# Altium PCB PDM_Rev3.PcbDoc (part 1 of 2)
Units mm, origin at the board's own origin, x right, y up, seen from the top; angles counter-clockwise.
Board outline 93.51 x 85.5 mm, 4 copper layers (Signal Top, Int1 (GND), Int2 (PWR), Signal Bottom), stack 1.766 mm thick; 119 components, 88 nets, 414 pads, 566 vias.
Unrouted connection lines stored in the file: 5.
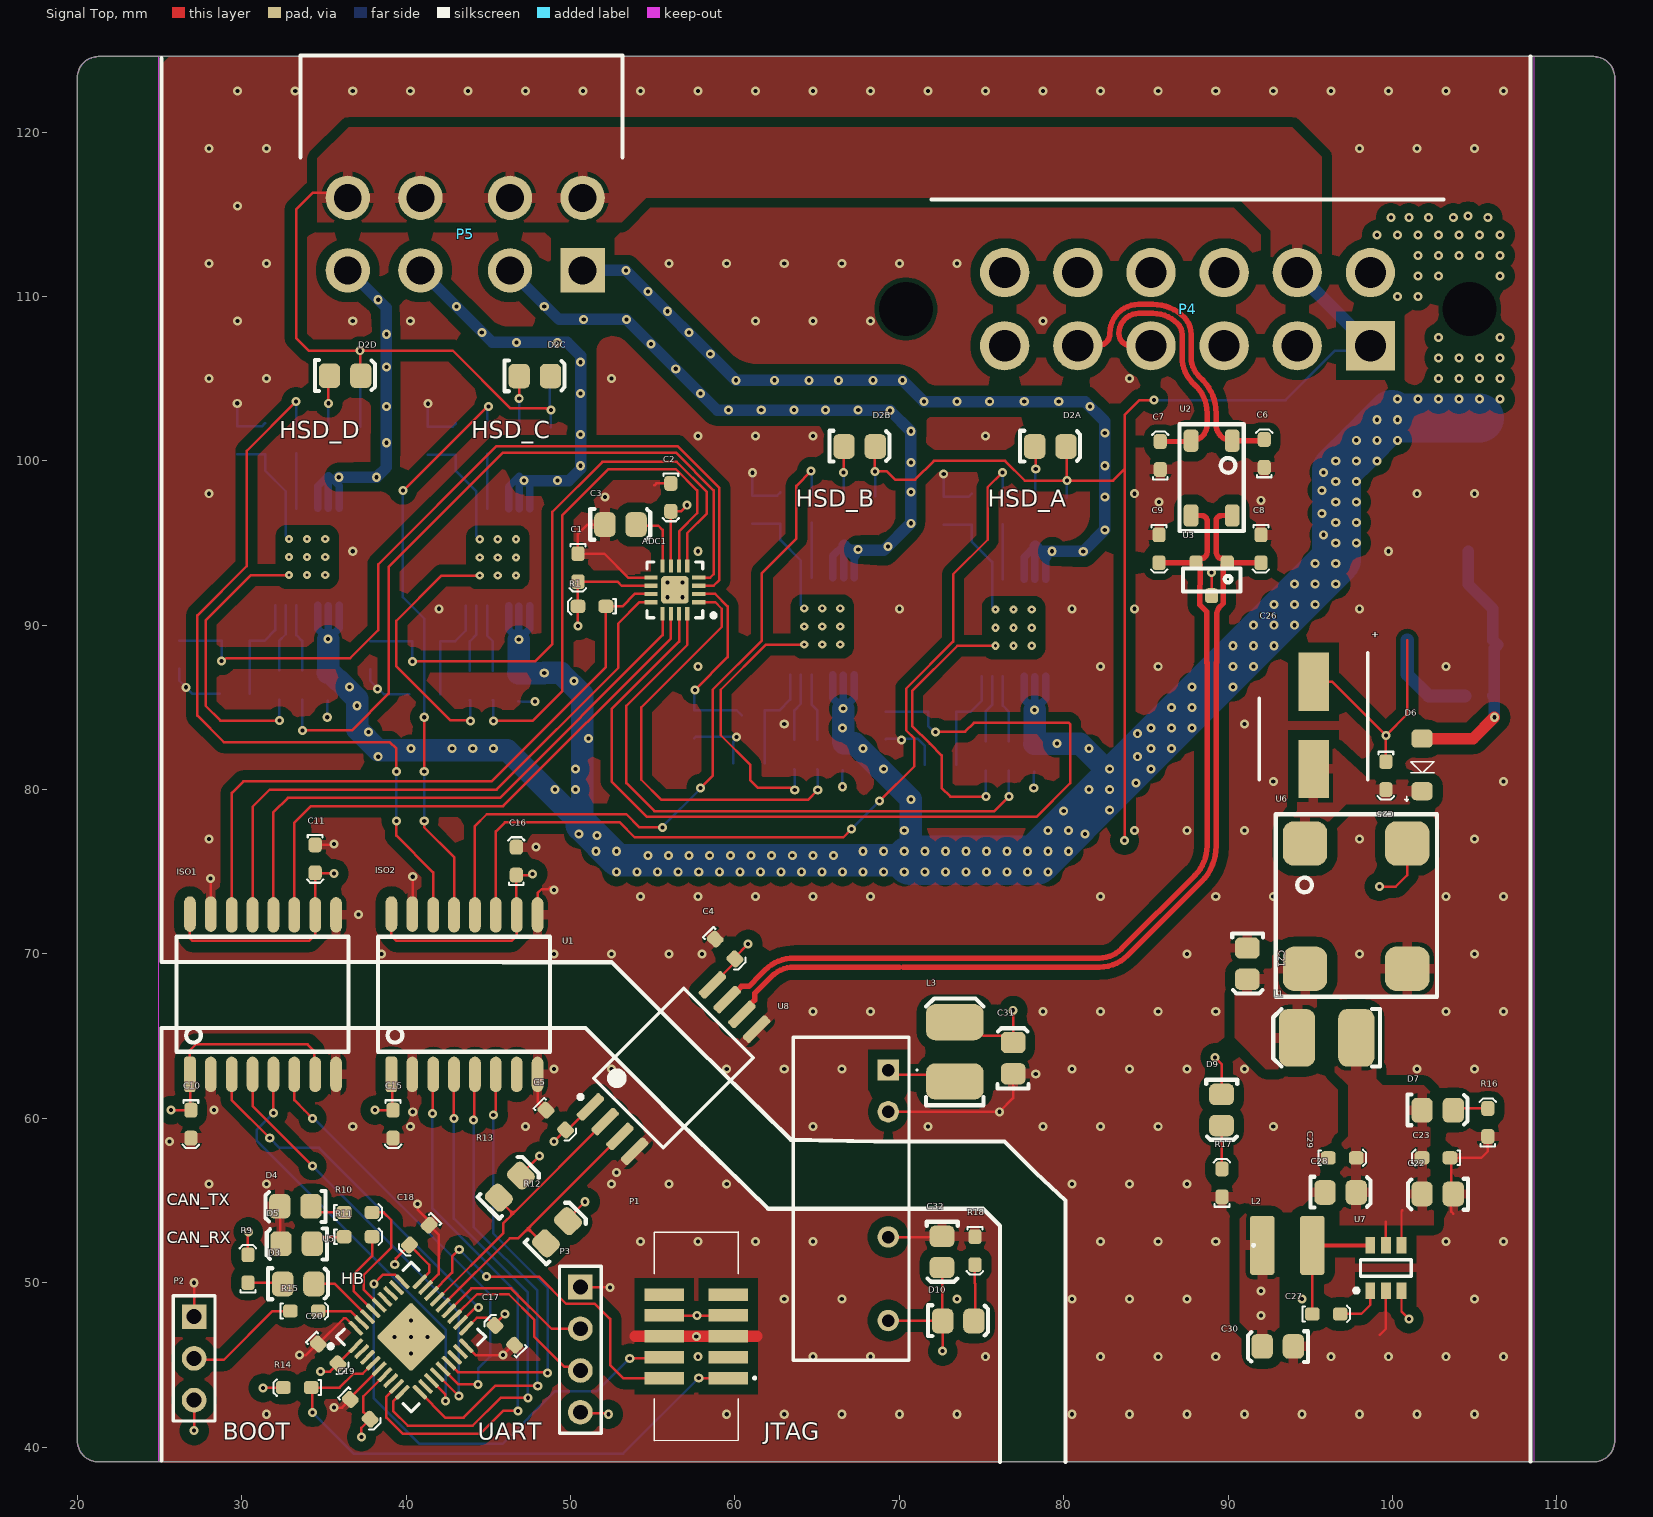
[diagram p0: Signal Top view]
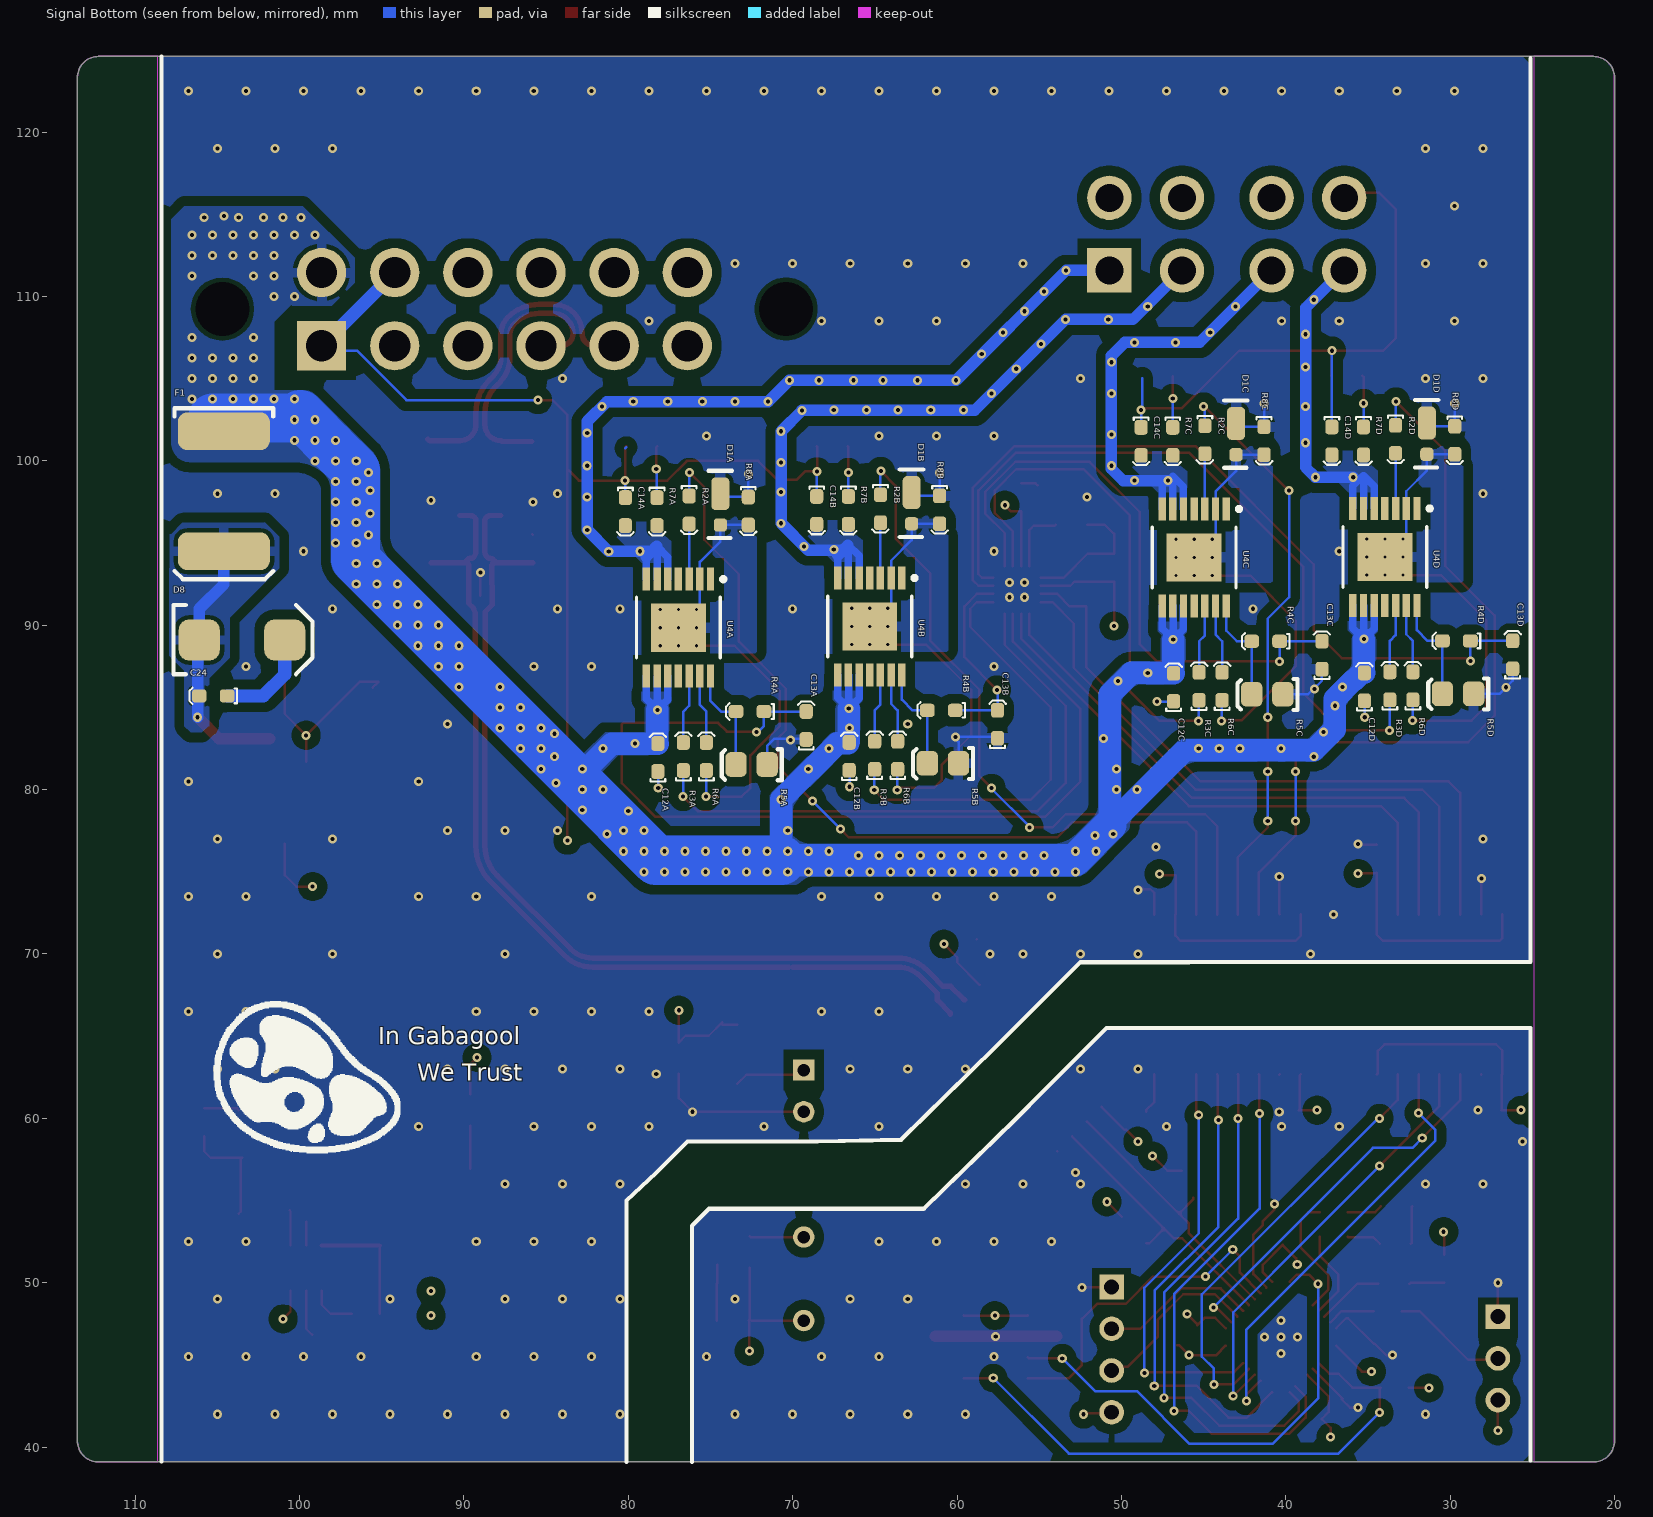
[diagram p1: Signal Bottom view, seen from below]
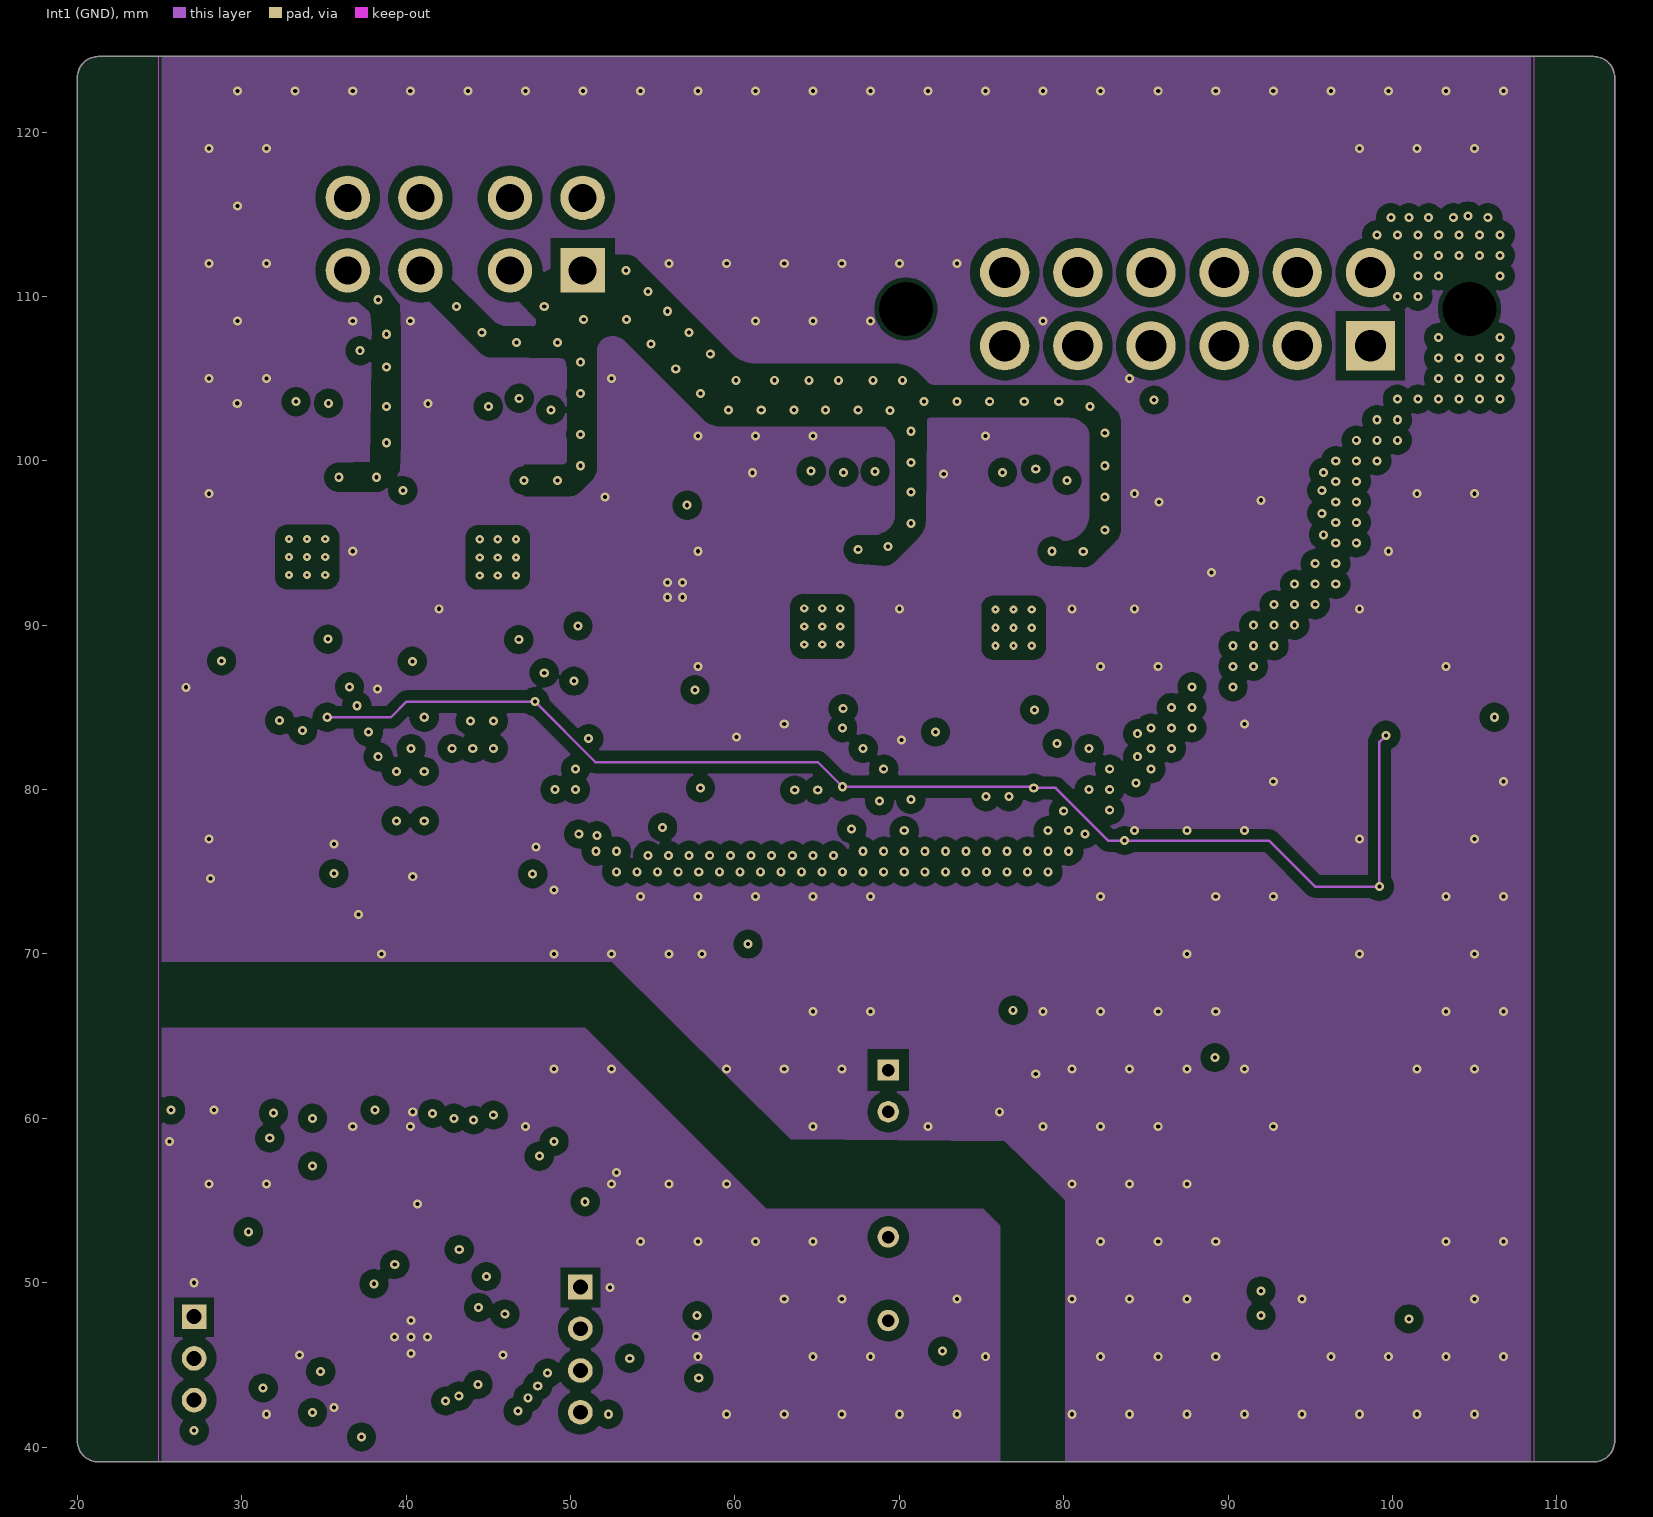
[diagram p2: Int1 (GND)]
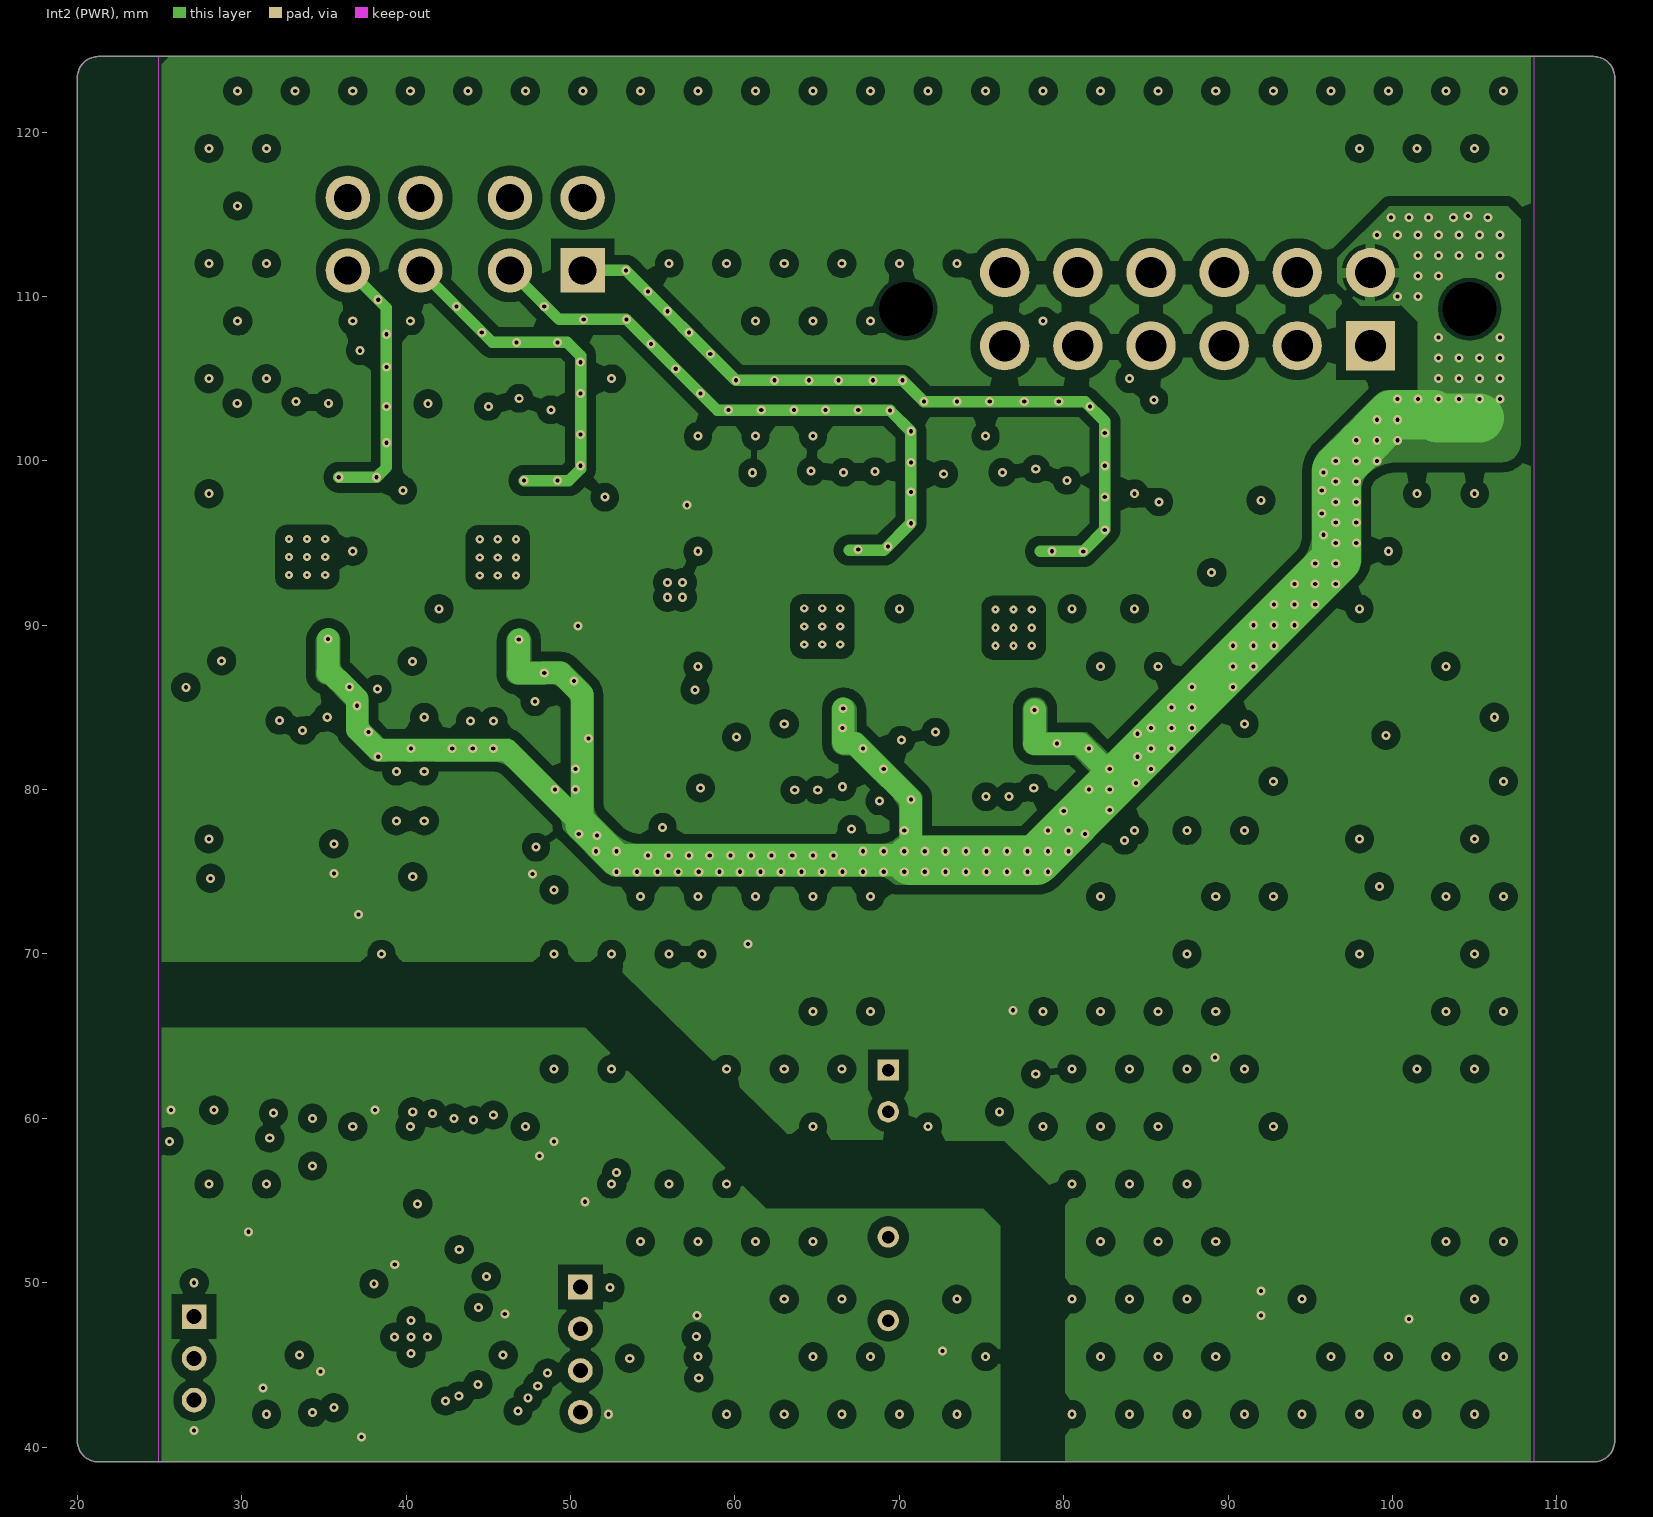
[diagram p3: Int2 (PWR)]
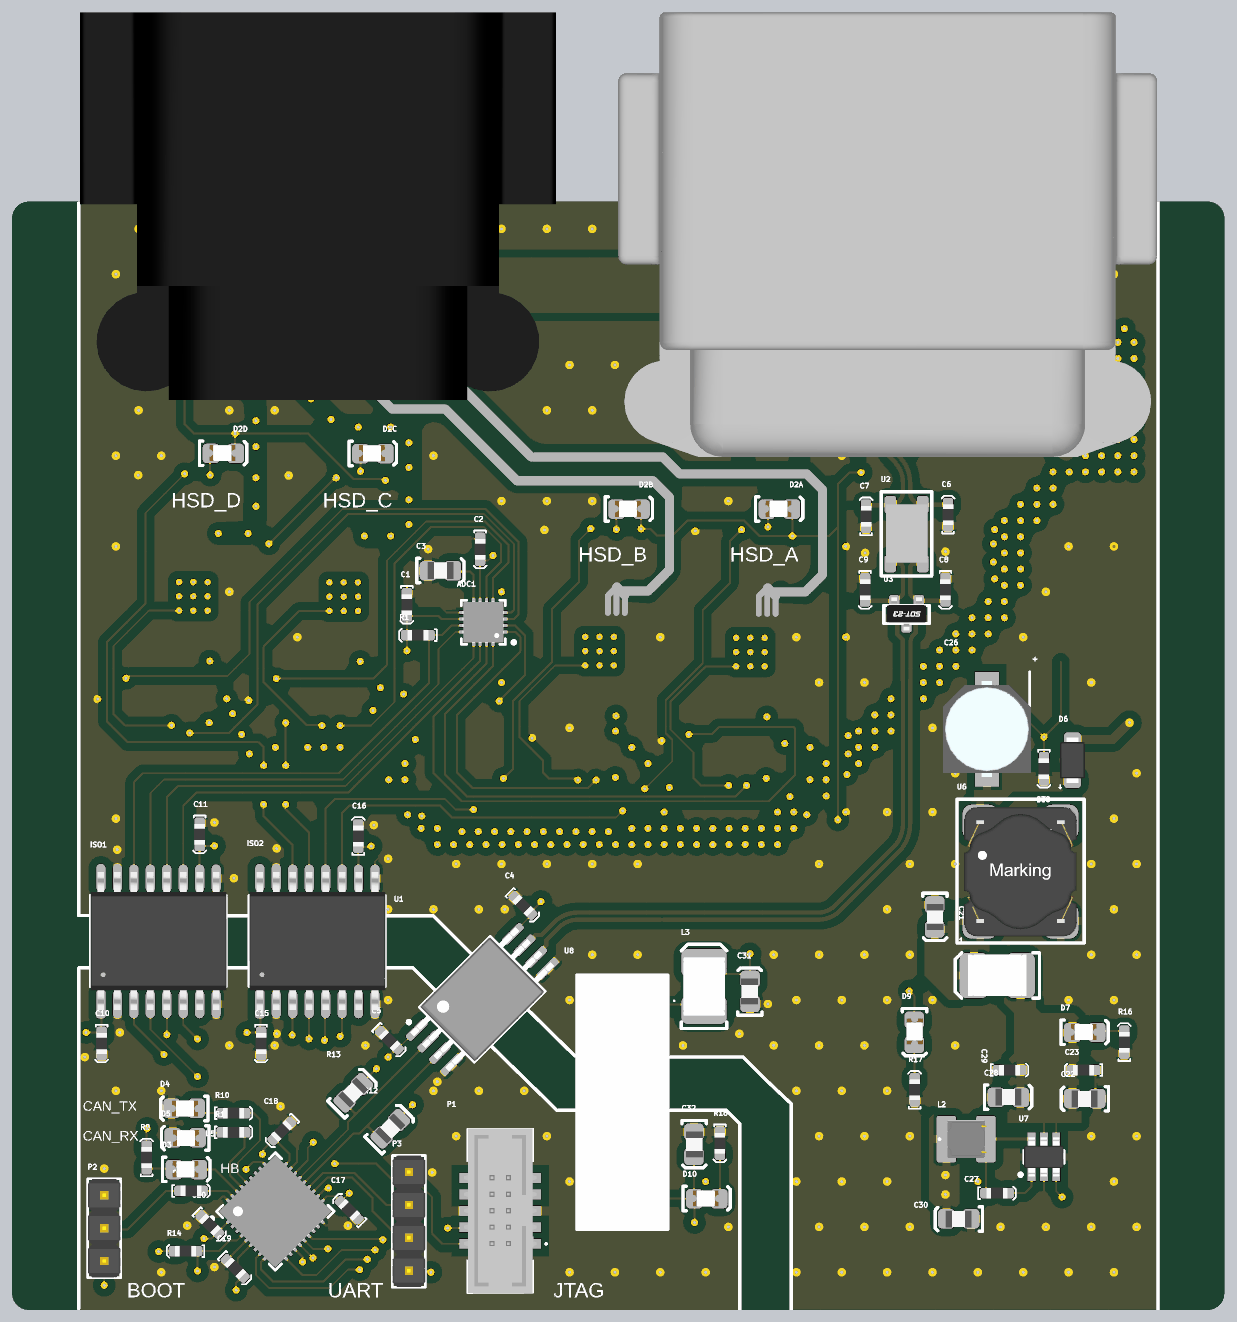
[diagram p5: 3D render of the assembled board from above, using the file's embedded part models]
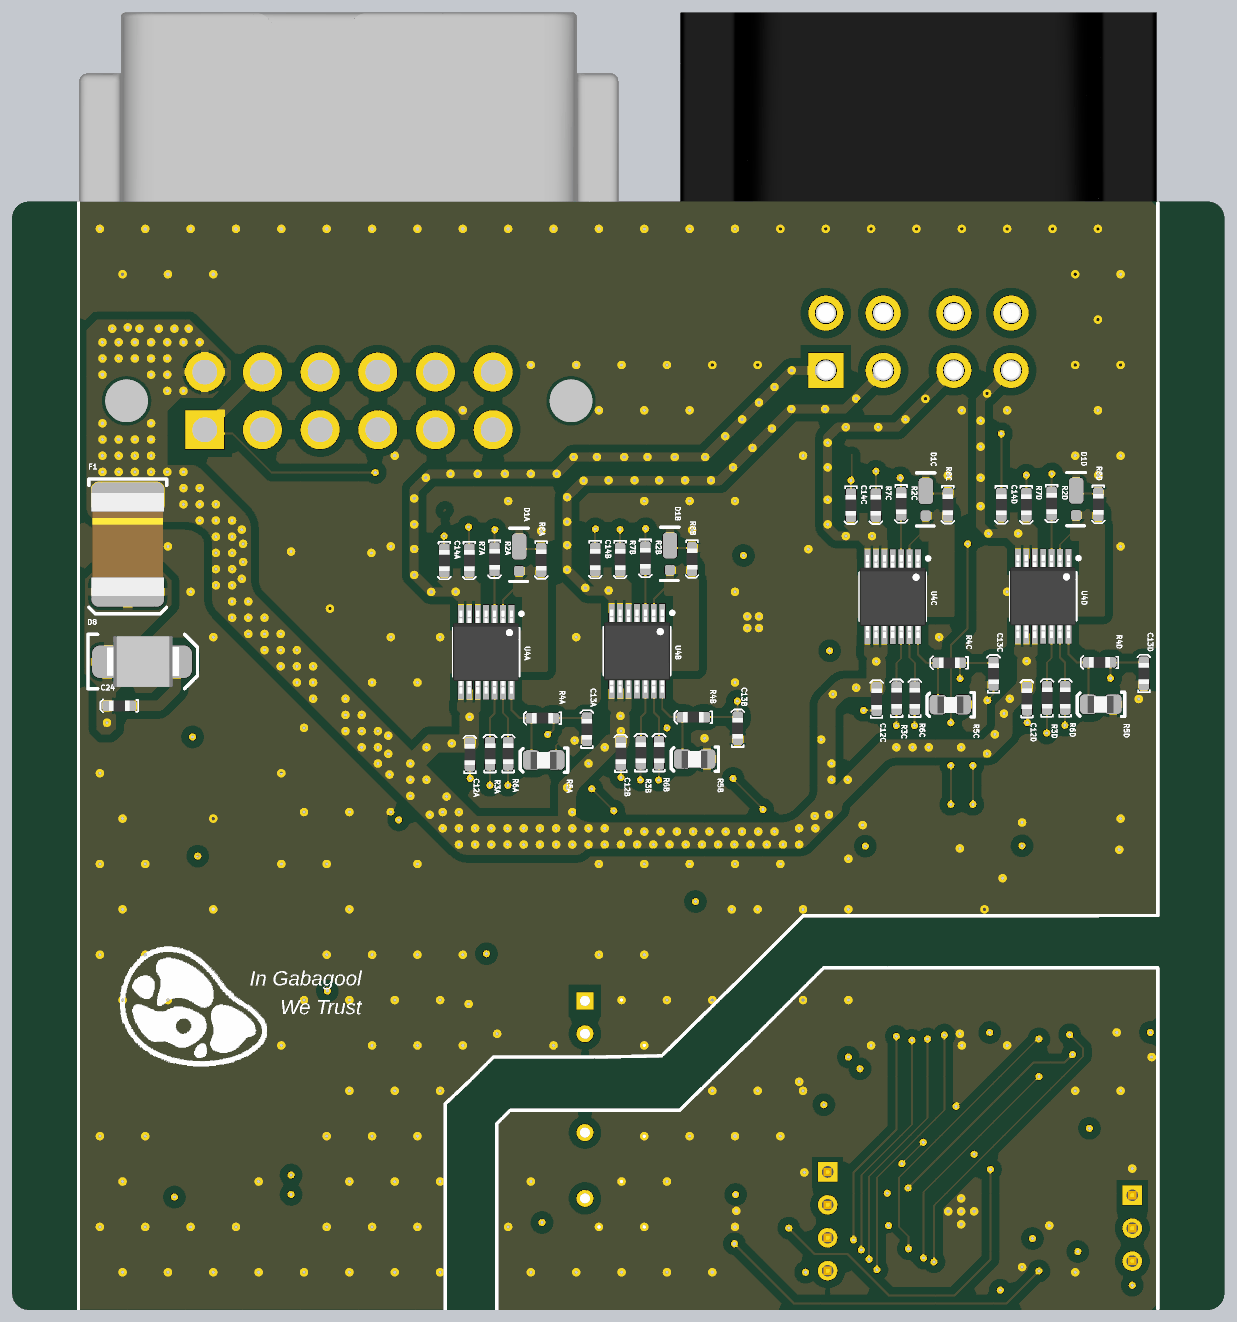
[diagram p6: 3D render of the assembled board from below, using the file's embedded part models]

## Layer stack, top to bottom
Top Solder: solder mask 0.0254, SM-003, Dk 4
Signal Top: signal copper 0.07
Dielectric 1: prepreg 0.2104, PP-017, Dk 4.4
Int1 (GND): signal copper 0.07
Dielectric 2: core 1.065, Core-039, Dk 4.5
Int2 (PWR): signal copper 0.07
Dielectric 3: prepreg 0.2104, PP-017, Dk 4.4
Signal Bottom: signal copper 0.07
Bottom Solder: solder mask 0.0254, SM-003, Dk 4

## Board outline
21.27,39.1 cw(c21.27,40.37) 20,40.37 20,123.33 cw(c21.27,123.33) 21.27,124.6 112.243,124.6 cw(c112.243,123.33) 113.513,123.33 113.513,40.37 cw(c112.243,40.37) 112.243,39.1

## Design rules (kind name [scope] priority, off if disabled: settings)
Clearance "Stitching GLV+" [IsStitchingVia and InNet('GLV+') vs (IsVia and (Not IsStitchingVia)) Or IsPad] p1: gap=0.127 ignorepadtopadclearanceinfootprint=FALSE
Clearance [All] p2: gap=0.254 ignorepadtopadclearanceinfootprint=FALSE except(0: Arc-Hole Track-Hole SMDPad-Hole THPad-Hole Via-Hole Fill-Hole Region-Hole Text-Hole; 0.1: THPad-THPad; 0.152: Arc-SMDPad Track-SMDPad SMDPad-SMDPad; 0.2: Arc-THPad Track-THPad SMDPad-THPad THPad-Via; 0.203: Arc-Arc Arc-Track Arc-Region Track-Track Track-Region SMDPad-Region THPad-Region Via-Region Fill-Region Poly-Region Region-Region; 0.6: Arc-Poly Track-Poly SMDPad-Poly THPad-Poly Via-Poly Fill-Poly Poly-Poly)
DiffPairsRouting [All] p1: maxlimit=0.22 minlimit=0.22 mostfreqgap=0.22 toplayer_minwidth=0.33 toplayer_maxwidth=0.33 toplayer_prefwidth=0.33 midlayer1_minwidth=0.33 midlayer1_maxwidth=0.33 midlayer1_prefwidth=0.33 midlayer2_minwidth=0.33 midlayer2_maxwidth=0.33 midlayer2_prefwidth=0.33 bottomlayer_minwidth=0.33 bottomlayer_maxwidth=0.33 bottomlayer_prefwidth=0.33 maxuncoupledlength=12.7
Height [All] p1: minheight=0 maxheight=50 prefheight=12.7
HoleSize [All] p1: absolutevalues=TRUE maxlimit=10 minlimit=0.025 maxpercent=80.000 minpercent=20.000
MinimumSolderMaskSliver [All] p1 off: minsoldermaskwidth=0.254
NetAntennae [All] p1 off: netantennaetolerance=0
PlaneClearance [All] p1: clearance=0.4
PlaneConnect [All] p1: pad.planeconnectstyle=Relief pad.reliefexpansion=0.508 pad.reliefentries=4 pad.reliefconductorwidth=0.8 pad.reliefairgap=0.254 via.planeconnectstyle=Direct via.reliefexpansion=0.508 via.reliefentries=4 via.reliefconductorwidth=0.8 via.reliefairgap=0.254
PolygonConnect [All] p1: thpad.connectstyle=Relief thpad.reliefconductorwidth=0.6 thpad.reliefentries=4 thpad.polygonreliefangle="90 Angle" thpad.airgapwidth=0.254 smdpad.connectstyle=Relief smdpad.reliefconductorwidth=0.6 smdpad.reliefentries=4 smdpad.polygonreliefangle="90 Angle" smdpad.airgapwidth=0.254 via.connectstyle=Direct via.reliefconductorwidth=0.6 via.reliefentries=4 via.polygonreliefangle="90 Angle" via.airgapwidth=0.254
RoomDefinition CAN [InComponentClass('CAN')] p1: confinementstyle=ConfineIn formatcopy=TRUE lockcomponents=FALSE outline 47.024,60.424 58.8,72.2 83.644,72.2 87.837,76.267 88.027,89.8 84.4,89.8 84.4,102.5 93.6,102.5 93.6,89.8 89.9,89.8 89.9,75 83.1,68.2 66.284,68.2 53.074,54.374
RoomDefinition TopLevel [InComponentClass('TopLevel')] p2: confinementstyle=ConfineIn formatcopy=TRUE lockcomponents=FALSE outline 24.963,109.038 24.963,139.446 108.589,139.446 108.589,104.648 66.501,104.648 66.501,109.038
RoomDefinition "Power Supply" [InComponentClass('Power Supply')] p3: confinementstyle=ConfineIn formatcopy=TRUE lockcomponents=FALSE outline 87.3,40 105,40 105,66.9 87.3,66.9
RoomDefinition HSD1C [InComponentClass('HSD1C')] p4: confinementstyle=ConfineIn formatcopy=TRUE lockcomponents=FALSE outline 37.003,86.574 40.303,83.274 47.703,83.274 48.603,84.174 48.603,98.474 51.303,101.174 51.303,105.774 50.803,106.274 43.203,106.274 40.403,103.474 40.403,93.074 37.003,89.674
RoomDefinition HSD1D [InComponentClass('HSD1D')] p5: confinementstyle=ConfineIn formatcopy=TRUE lockcomponents=TRUE outline 25.4,86.6 28.7,83.3 36.1,83.3 37,84.2 37,98.5 39.7,101.2 39.7,105.8 39.2,106.3 31.6,106.3 28.8,103.5 28.8,93.1 25.4,89.7
RoomDefinition HSD1A [InComponentClass('HSD1A')] p6: confinementstyle=ConfineIn formatcopy=TRUE lockcomponents=FALSE outline 68.377,82.3 71.677,79 79.077,79 79.977,79.9 79.977,94.2 82.677,96.9 82.677,101.5 82.177,102 74.577,102 71.777,99.2 71.777,88.8 68.377,85.4
RoomDefinition Microcontroller [InComponentClass('Microcontroller')] p7: confinementstyle=ConfineIn formatcopy=TRUE lockcomponents=FALSE outline 25.125,65.44 25.233,65.332 25.233,39.087 76.116,39.087 76.162,39.04 76.162,53.406 75.068,54.5 61.868,54.5 50.928,65.44 25.125,65.44
RoomDefinition HSD1B [InComponentClass('HSD1B')] p8: confinementstyle=ConfineIn formatcopy=TRUE lockcomponents=FALSE outline 56.739,82.374 60.039,79.074 67.439,79.074 68.339,79.974 68.339,94.274 71.039,96.974 71.039,101.574 70.539,102.074 62.939,102.074 60.139,99.274 60.139,88.874 56.739,85.474
RoomDefinition "High-Side Driver Enable Pin Isolator" [InComponentClass('High-Side Driver Enable Pin Isolator')] p9: confinementstyle=ConfineIn formatcopy=TRUE lockcomponents=FALSE outline 37.909,60.671 37.909,74.433 45.869,77.431 47.531,77.431 49.135,74.433 49.135,60.671 40.031,57.869 38.369,57.869
RoomDefinition ADC1 [InComponentClass('ADC1')] p10: confinementstyle=ConfineIn formatcopy=TRUE lockcomponents=FALSE outline 49.55,97.35 51.65,99.45 57.75,99.45 59.05,98.15 59.05,89.75 58.15,88.85 50.55,88.85 50.55,88.95 49.55,89.95
RoomDefinition "Contoller Peripheral Comms Isolation" [InComponentClass('Contoller Peripheral Comms Isolation')] p11: confinementstyle=ConfineIn formatcopy=TRUE lockcomponents=FALSE outline 25.651,60.671 25.651,74.433 33.634,77.553 35.296,77.553 36.878,74.433 36.878,60.671 27.731,57.569 26.069,57.569
RoutingVias [All] p1: holewidth=0.25 width=0.55 viastyle="Through Hole" minholewidth=0.203 minwidth=0.254 maxholewidth=0.711 maxwidth=1.27
SilkToSilkClearance [All] p1 off: silktosilkclearance=0.254
SilkToSolderMaskClearance [IsPad] p1 off: minsilkscreentomaskgap=0.254 clearancetoexposedcopper=TRUE
SolderMaskExpansion [All] p1: expansion=0.051 istentingtop=FALSE
Width [All] p1: maxlimit=3 minlimit=0.127 preferedwidth=0.152 minimp=50.000000 maximp=50.000000 favimp=50.000000
21 further rules are at their usual default settings.

## Classes and differential pairs
component class "Power Supply": C21 C22 C23 C24 C25 C26 C27 C28 C29 C30 C31 C32 D6 D7 D8 D9 D10 F1 L1 L2 L3 R16 R17 R18 U6 U7 U8
component class HSD1C: C12C C13C C14C D1C D2C R2C R3C R4C R5C R6C R7C R8C U4C
component class HSD1B: C12B C13B C14B D1B D2B R2B R3B R4B R5B R6B R7B R8B U4B
component class HSD1A: C12A C13A C14A D1A D2A R2A R3A R4A R5A R6A R7A R8A U4A
component class ADC1: ADC1 C1 C2 C3 R1
channel class "High-Side Driver": HSD1A HSD1B HSD1C HSD1D
component class TopLevel: P4 P5
component class Microcontroller: C17 C18 C19 C20 D3 D4 D5 P1 P2 P3 R9 R10 R11 R12 R13 R14 R15 U5
component class HSD1D: *_HSD2 C12D C13D C14D D1D D2D R2D R3D R4D R5D R6D R7D R8D U4D
component class "High-Side Driver Enable Pin Isolator": C15 C16 ISO2
component class "Contoller Peripheral Comms Isolation": C10 C11 ISO1
component class CAN: C4 C5 C6 C7 C8 C9 U1 U2 U3
differential pair CAN1: +CAN1_P -CAN1_N
differential pair _CAN1: +_CAN1_P -_CAN1_N
